# KiCad board AmigaPCI Mainboard.kicad_pcb (continued)
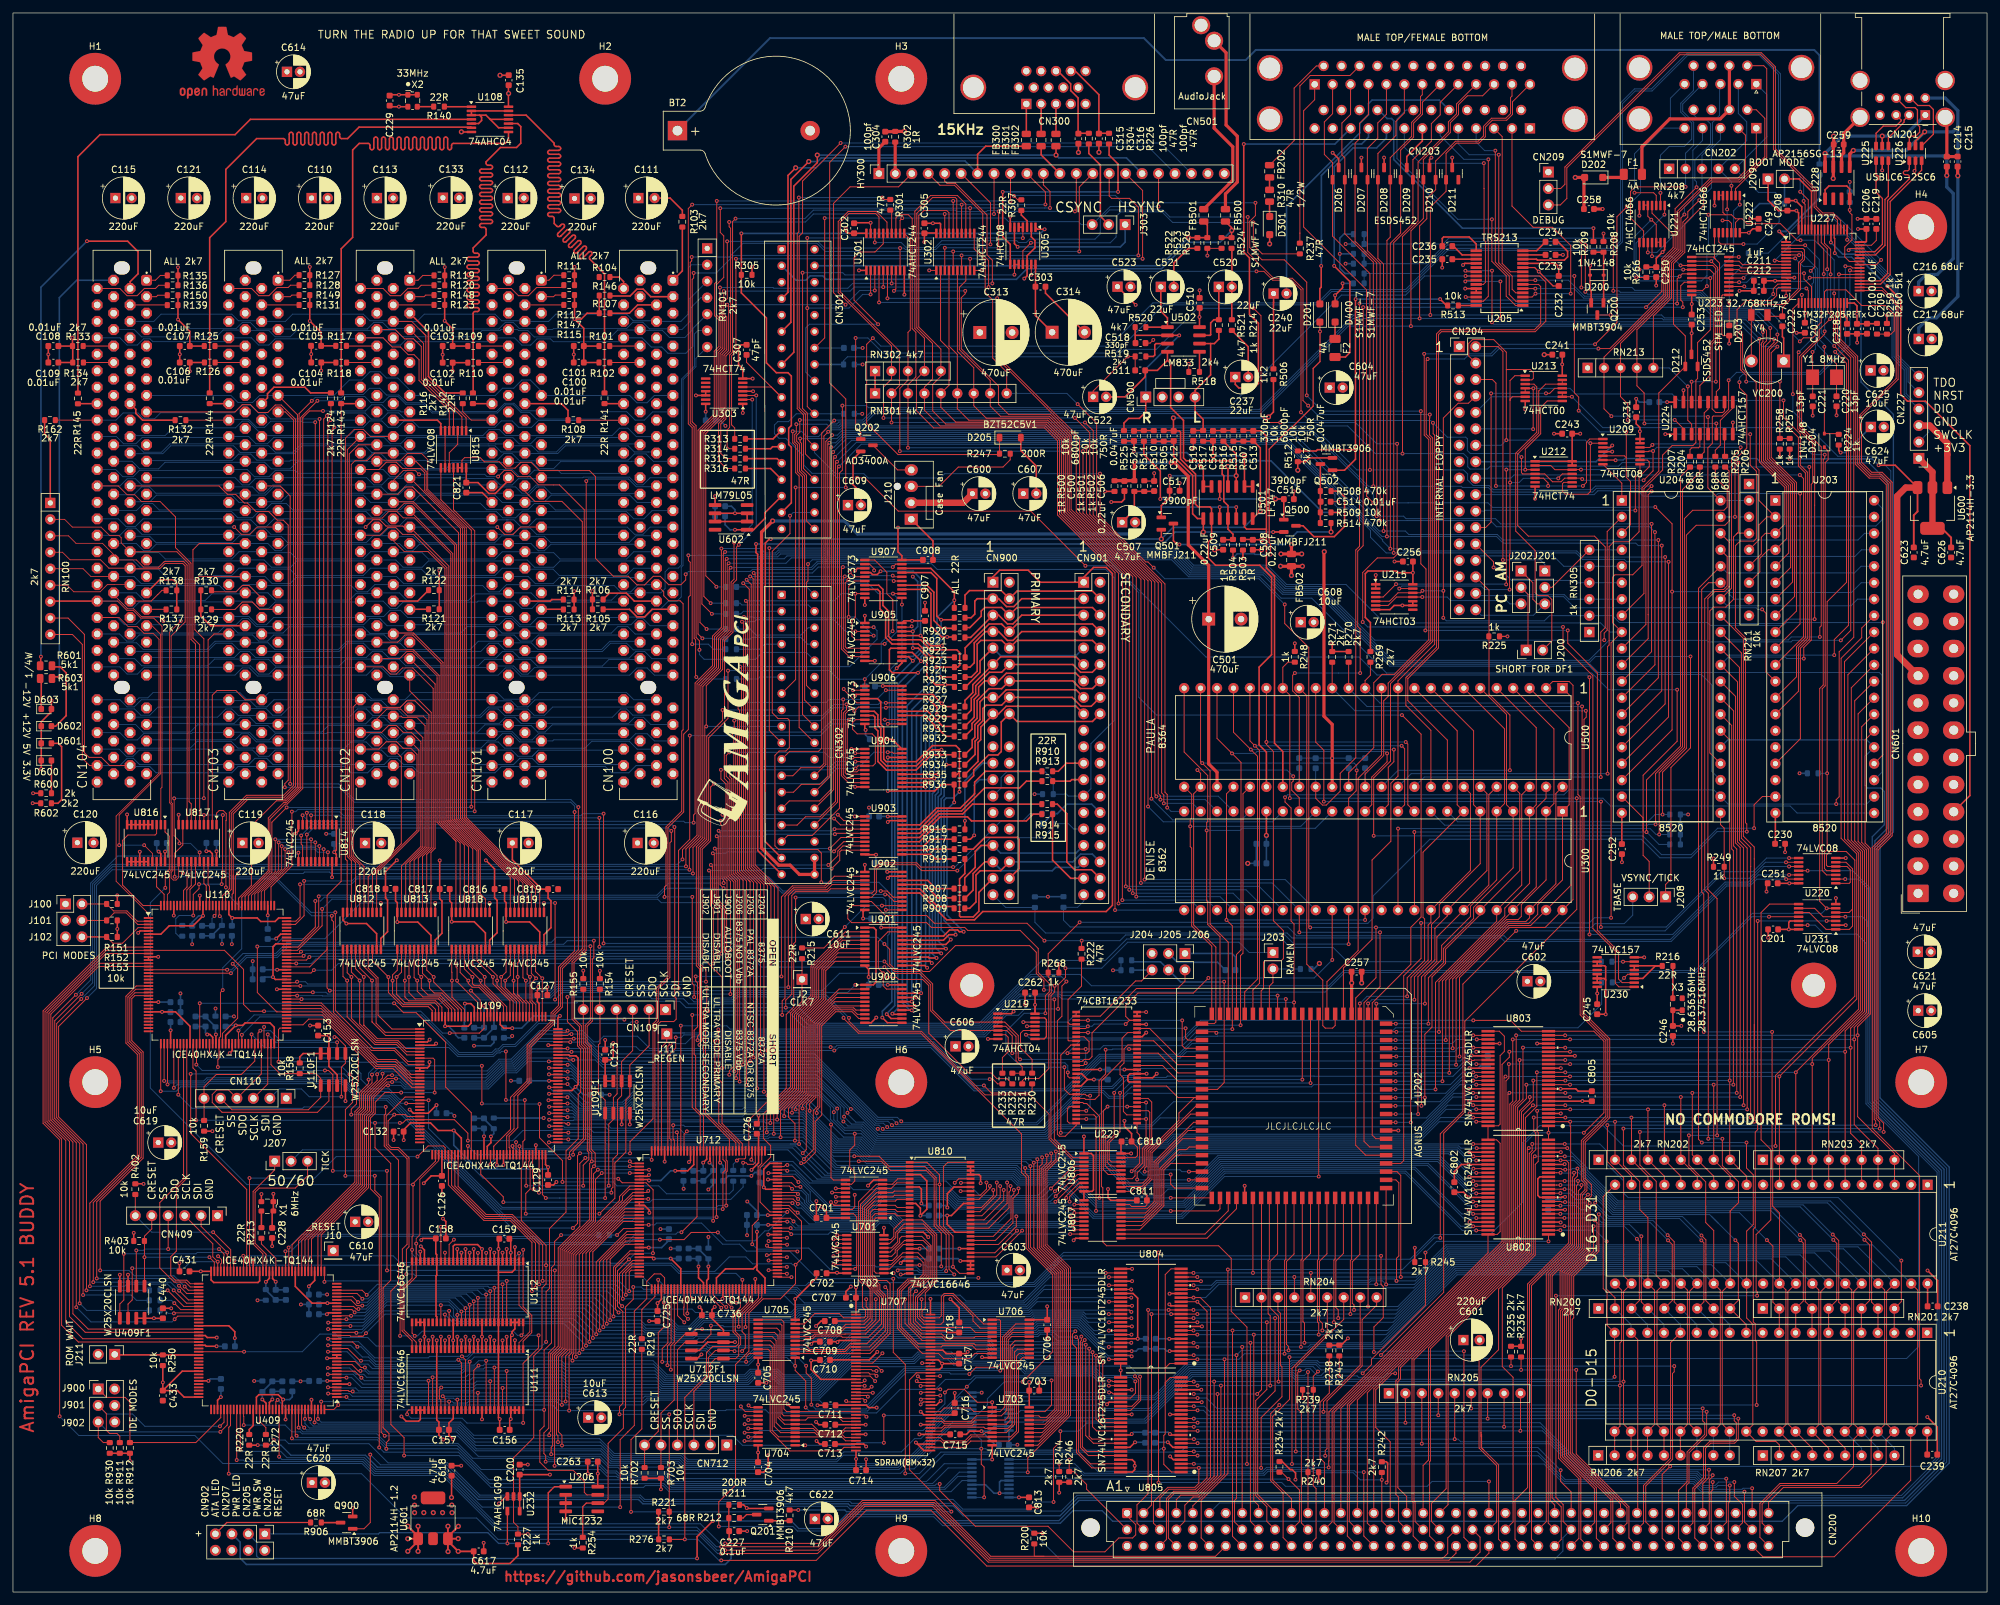
[diagram p0: board, top side]
## Routing (per net, layer and track width the routed paths; a pad name or vN(x,y) marks a point on that pad's centre or on a via; arc(x,y) is an arc through that point) (continued)
  Bottom w0.15: R265.2 v1(283.6,213.42)
/HID and User Ports/VMON3V3: length 77.9
  Top w0.15: U227.16 273.77,200.19 v1(273.77,200.18) ; v1(247.09,209.07) v1(247.09,200.92)
  Bottom w0.15: v1(273.77,200.18) 271.84,198.25 263.02,198.25 260.57,200.7 248.19,200.7 247.96,200.92 v1(247.09,200.92) ; v1(247.09,209.07) 247.08,209.06 221.69,209.06 220.78,208.16 R255.2
  Bottom w0.25: R255.2 R256.1
/HID and User Ports/VMON5: length 78.3
  Top w0.15: v1(242.16,208.54) v1(242.16,201.45) ; v1(271.79,200.43) 271.79,201.26 272.5,201.97 U227.14
  Bottom w0.15: v1(271.79,200.43) 269.91,198.55 263.15,198.55 260.7,201 250.42,201 249.97,201.45 v1(242.16,201.45) ; v1(242.16,208.54) 221.59,208.54 218.17,205.12 R263.2
  Bottom w0.25: R263.2 R264.1
/HID and User Ports/VMON5SB: length 36.8
  Top w0.15: v1(272.81,186.91) R258.1 R257.2 ; U227.15 272.6,201.47 272.31,201.19 272.31,200.2 271.56,199.44 267.62,199.44 266.2,198.03 266.2,193.96 266.76,193.4 266.76,188.73 267.62,187.87 v1(267.62,186.91)
  Bottom w0.15: v1(267.62,186.91) v1(272.81,186.91)
/HID and User Ports/VMON12: length 89.2
  Top w0.15: v1(275.9,193.12) 276.45,193.67 277.89,193.67 278.27,194.06 278.27,195.15 279.2,196.07 U227.24 ; v1(242.77,208.01) v1(242.77,200.78)
  Bottom w0.15: v1(275.9,193.12) 271.07,197.95 262.9,197.95 260.45,200.4 243.15,200.4 v1(242.77,200.78) ; R261.2 R262.1 217.07,203.6 221.49,208.01 v1(242.77,208.01)
/HID and User Ports/VMON-12: length 19.6
  Top w0.15: R260.1 289.97,194.24 290.47,194.74 290.47,197.3 289.11,198.66 285.45,198.66 283.03,201.08 280,201.08 279.7,200.78 U227.25 ; R259.2 289.33,194.25
/IDE Interface/_ACTA: length 132.7
  Top w0.15: v1(273.78,110.08) 273.79,110.09 U220.13
  Bottom w0.15: v1(273.78,110.08) 269.24,110.08 268.19,109.03 264.6,109.03 256.05,100.48 230.29,100.48 229.77,101 197.49,101 196.72,101.77 159.44,101.77 157.79,103.42 157.79,105.7 153.27,105.7 CN900.39
/IDE Interface/_ACTB: length 125.4
  Top w0.15: U220.12 v1(274.23,110.74)
  Bottom w0.15: CN901.39 165.31,106.66 164.38,105.73 R904.1 162.2,103.75 163.25,102.7 196.85,102.7 198.21,101.34 228.78,101.34 230.24,101.34 230.8,100.78 255.92,100.78 264.48,109.33 268.07,109.33 269.48,110.74 v1(274.23,110.74)
/IDE Interface/_ACTIVITY: length 367.4
  Top w0.15: Q900.1 54.2,9.77 55.17,10.74 v1(55.17,21.23) ; U220.11 v1(277.09,111.39)
  Bottom w0.15: v1(277.09,111.39) 284.05,111.39 286.7,108.73 286.7,75.64 297.39,64.96 297.39,20.72 291.59,14.93 164.28,14.93 161.86,12.5 146.52,12.5 145.33,13.69 129.52,13.69 129.21,14 97.41,14 96.74,14.66 71.97,14.66 66.98,19.65 56.75,19.65 v1(55.17,21.23)
/IDE Interface/_CS0P: length 18.5
  Top w0.25: 146.98,113.19 146.98,110.94 146.15,110.12 146.15,104.42 146.32,104.25 148.27,104.25 149.14,105.12 149.14,108.04 CN900.37
/IDE Interface/_CS0S: length 13.1
  Top w0.25: CN901.37 163.32,110.21 160.51,113.02 R915.2
/IDE Interface/_CS1P: length 15.9
  Top w0.25: R918.2 148.27,114.72 150.08,116.53 155.05,116.53 155.35,116.23 155.35,111.71 CN900.38
/IDE Interface/_CS1S: length 16.5
  Top w0.25: CN901.38 166.53,111.53 163.93,111.53 162.72,112.74 162.72,120.19 161.24,121.67 R914.2
/IDE Interface/_DIORP: length 12.7
  Top w0.25: v1(148.42,116.85) 147.82,116.25 146.98,116.25
  Bottom w0.25: v1(148.42,116.85) 148.42,124.61 149.26,125.45 CN900.25
/IDE Interface/_DIORS: length 4.9
  Top w0.25: R913.2 163.24,125.22 163.47,125.45 CN901.25
/IDE Interface/_DIOWP: length 12.9
  Top w0.25: 146.98,117.77 146.98,119.07 v1(146.98,119.08)
  Bottom w0.25: CN900.23 149.72,127.99 146.98,125.25 v1(146.98,119.08)
/IDE Interface/_DIOWS: length 5.3
  Top w0.25: R910.2 161.4,126.74 162.65,127.99 CN901.23
/IDE Interface/_RSTIDE: length 108.6
  Top w0.25: U902.15 140.03,107.94 144.17,103.8 148.46,103.8 149.74,105.08 168.79,105.08 169.76,106.05 169.76,157.27 168.82,158.21 166.84,158.21 165.31,156.68 CN901.1 158.61,155.93 156.75,157.79 152.34,157.79 151.31,156.76 CN900.1
/IDE Interface/DA0A: length 9
  Top w0.25: 145.4,107.18 142.84,107.18 140.78,109.24 U902.17
/IDE Interface/DA0B: length 23.3
  Top w0.25: R908.2 148.24,108.38 148.24,110.94 150.05,112.75 CN900.35
  Bottom w0.25: CN900.35 152.68,111.38 160.48,111.38 160.99,111.9 164.46,111.9 CN901.35
/IDE Interface/DA1A: length 8.6
  Top w0.25: U902.18 141.23,109.89 142.5,108.62 R907.1
/IDE Interface/DA1B: length 24.5
  Top w0.25: R907.2 146.96,110.29 148.57,111.9 148.57,114.38 149.48,115.29 CN900.33
  Bottom w0.25: CN901.33 164.13,114.11 152.49,114.11 CN900.33
/IDE Interface/DA2A: length 9.3
  Top w0.25: 145.39,105.86 142.75,105.86 140.02,108.59 U902.16
/IDE Interface/DA2B: length 27.3
  Top w0.25: CN900.36 152.49,111.38 149.35,111.38 148.69,110.73 148.69,106.56 147.71,105.58 R909.2
  Bottom w0.25: CN900.36 163.65,112.75 164.85,113.95 166.65,113.95 CN901.36
/IDE Interface/DD0A: length 26
  Top w0.25: CN900.17 152.19,135.61 153.36,136.78 164.13,136.78 CN901.17 ; R935.2 149,128.26 149,131.2 149.43,131.62 149.43,133.57 151.31,135.45
/IDE Interface/DD1A: length 26.4
  Top w0.25: R933.2 148.1,130.43 148.1,131.57 148.52,132 148.52,133.94 149.31,134.73 149.31,137.46 150,138.15 CN900.15 152.19,138.15 153.36,139.32 164.13,139.32 CN901.15
/IDE Interface/DD2A: length 24.5
  Top w0.25: CN901.13 164.12,141.88 153.38,141.88 152.19,140.69 CN900.13 150.04,140.69 149.1,139.75 149.1,138.53 148.41,137.84 148.41,135.1 R931.2
/IDE Interface/DD3A: length 23.3
  Top w0.25: CN901.11 164.13,144.41 152.49,144.41 CN900.11 148.2,140.12 148.2,138.9 146.99,137.69 R928.2
/IDE Interface/DD4A: length 22.7
  Top w0.25: CN900.9 149.32,143.78 149.32,142 147.08,139.76
  Bottom w0.25: CN901.9 164.13,144.59 152.49,144.59 CN900.9
/IDE Interface/DD5A: length 23.5
  Top w0.25: R925.2 147.76,142.82 148.42,143.48 148.42,146.56 150.17,148.31 CN900.7 152.19,148.31 153.55,146.94 154.39,146.94 155.75,148.31 CN901.7
/IDE Interface/DD6A: length 20.9
  Top w0.25: R923.2 147.87,147.41 CN900.5 152.19,150.85 153.55,149.49 154.39,149.49 155.75,150.85 CN901.5
/IDE Interface/DD7A: length 21.7
  Top w0.25: CN901.3 155.75,153.39 154.54,152.17 153.41,152.17 152.19,153.39 CN900.3 148.88,153.39 148.51,153.02 148.51,151.02 147.94,150.45 R921.2
/IDE Interface/DD8A: length 24.6
  Top w0.25: R920.2 147,153.94 147.69,154.64 152.6,154.64 CN900.4 155.02,154.56 166.68,154.56 CN901.4
/IDE Interface/DD9A: length 24.1
  Top w0.25: 153.83,150.83 152.63,152.03 150.05,152.03 149.5,151.48 149.5,150.69 147.74,148.93 R922.2 ; CN901.6 166.68,152.02 155.02,152.02 CN900.6
/IDE Interface/DD10A: length 25.3
  Top w0.25: CN900.8 155.02,149.48 166.68,149.48 CN901.8 ; R924.2 147.01,145.79 150.7,149.48 152.63,149.48 153.83,148.29
/IDE Interface/DD11A: length 27.1
  Top w0.25: CN901.10 166.68,146.94 155.02,146.94 CN900.10 152.68,146.94 149.44,146.94 148.87,146.38 148.87,142.19 147.97,141.29 R926.2
/IDE Interface/DD12A: length 27
  Top w0.25: R929.2 147.96,136.18 147.96,138.02 148.65,138.71 148.65,139.93 150.75,142.03 152.65,142.03 153.83,143.21 ; CN900.12 163.65,143.23 164.85,142.03 166.65,142.03 CN901.12
/IDE Interface/DD13A: length 27.5
  Top w0.25: CN900.14 163.65,140.69 164.82,139.51 166.68,139.51 CN901.14 ; 153.83,140.67 152.65,139.49 150.7,139.49 148.86,137.65 148.86,134.91 148.07,134.13 148.07,133.23 R932.2
/IDE Interface/DD14A: length 30
  Top w0.25: CN901.16 166.49,136.78 164.9,136.78 163.54,138.15 CN900.16 ; 147.25,127.75 R934.2 148.55,129.34 148.55,131.39 148.98,131.81 148.98,133.76 149.76,134.54 149.76,136.44 150.27,136.95 152.65,136.95 153.83,138.13
/IDE Interface/DD15A: length 29.6
  Top w0.25: R936.2 148.34,126.06 148.34,126.96 150.64,129.26 152.07,129.26 152.59,129.78 152.59,134.35 CN900.18 155.02,134.44 166.68,134.44 CN901.18
/IDE Interface/IDED0: length 86.4
  Top w0.25: v1(136.45,142.66) 137.25,143.45 U905.11 ; R920.1 v1(145.35,153.16) 145.35,154.44 141.72,158.07 U907.18 ; U900.11 135.03,87.91 v1(134.23,88.71)
  Bottom w0.25: v1(145.35,153.16) 142.69,150.5 142.69,148.17 138.99,144.48 138.28,144.48 v1(136.45,142.66) 135.7,141.9 135.7,91.16 134.23,89.69 v1(134.23,88.71)
/IDE Interface/IDED1: length 82.7
  Top w0.25: v1(140.2,143.74) 138.86,145.09 U905.13 ; U907.14 141.11,155.47 142.19,154.39 142.19,150.03 143.4,148.82 v1(143.94,148.82) 145.28,148.82 ; U900.13 135.89,89.21 v1(135.79,89.31)
  Bottom w0.25: 136.6,92.84 136.6,90.12 v1(135.79,89.31) ; 136.6,92.84 136.6,92.54 136.6,93.75 ; 136.6,92.84 136.6,93.75 ; 136.6,93.75 136.6,140.14 v1(140.2,143.74) 140.2,144.42 143.94,148.15 v1(143.94,148.82)
/IDE Interface/IDED2: length 80.1
  Top w0.25: U907.8 133.51,154.82 133.87,154.46 133.87,151.8 134.74,150.93 134.74,147.39 135.74,146.39 U905.15 139.78,146.39 141.83,144.34 v1(141.94,144.34) R924.1 ; U900.15 v1(139.21,90.51)
  Bottom w0.25: v1(141.94,144.34) 141.94,140.76 138.05,136.87 138.05,90.93 138.47,90.51 v1(139.21,90.51)
/IDE Interface/IDED3: length 85.4
  Top w0.25: U907.4 132.41,157.42 132.71,157.12 133.45,157.12 v1(133.96,157.63) ; v1(143.42,146.11) 141.71,146.11 v1(140.13,147.69) U905.17 ; R926.1 v1(143.19,141.29) ; U900.17 v1(139.5,91.81)
  Bottom w0.25: v1(143.42,146.11) 143.42,144.05 143.19,143.82 v1(143.19,141.29) 143.19,139.36 139.5,135.67 139.5,93.29 v1(139.5,91.81) ; v1(133.96,157.63) 138.99,157.63 140.13,156.49 v1(140.13,147.69)
/IDE Interface/IDED4: length 57.9
  Top w0.25: U901.12 141.59,97.4 v1(141.87,97.12) ; v1(141.54,124.98) 141.53,124.98 U904.12 ; R929.1 142.98,135.2 v1(142.67,135.51) 142.67,136.63 141.34,137.96 U906.17
  Bottom w0.25: v1(142.67,135.51) 141.51,134.36 141.51,97.47 v1(141.87,97.12)
/IDE Interface/IDED5: length 56.9
  Top w0.25: U904.14 142.87,126.28 v1(142.87,126.28) ; U901.14 143.25,98.7 v1(143.33,98.62) ; U906.13 140.81,135.36 v1(142.6,133.57) 144.03,132.14 R932.1
  Bottom w0.25: v1(143.33,98.62) 142.42,99.53 142.42,123.05 142.87,123.5 v1(142.87,126.28) 142.87,128.04 142.42,128.5 142.42,132.63 142.6,132.82 v1(142.6,133.57)
/IDE Interface/IDED6: length 59.8
  Top w0.25: R934.1 144.13,127.75 v1(144.12,127.76) ; v1(144.8,100.76) 144.04,100 U901.16 ; v1(143.35,130.07) 143.33,130.06 141.95,130.06 139.47,127.58 U904.16 134.86,127.58 134,128.43 134,133.35 133.54,133.81 133.54,135.45 132.98,136.01 U906.7
  Bottom w0.25: v1(144.8,100.76) 143.31,102.24 143.31,122.47 143.77,122.92 143.77,125.39 143.94,125.56 143.94,127.58 v1(144.12,127.76) 144.12,129.3 v1(143.35,130.07)
/IDE Interface/IDED7: length 66.8
  Top w0.25: v1(146.79,101.97) 146.12,101.97 145.86,102.23 144.61,102.23 143.68,101.3 U901.18 ; v1(145.33,121.94) 145.31,121.95 R936.1 143.32,124.69 142.33,123.7 v1(135.08,123.7) ; v1(130.01,138.41) 130.2,138.61 U906.3 ; v1(135.08,128.88) 137.25,128.88
  In2.Cu w0.25: v1(130.01,138.41) 130.96,137.46 130.96,130.89 132.98,128.88 v1(135.08,128.88)
  Bottom w0.25: v1(135.08,123.7) v1(135.08,128.88) ; v1(145.33,121.94) 144.21,120.82 144.21,104.54 v1(146.79,101.97)
/IDE Interface/IDED8: length 65.4
  Top w0.25: 146.14,126.63 v1(146.14,123.57) ; 146.14,126.63 145.73,126.22 R935.1 ; 146.14,126.63 146.14,130.14 145.58,130.7 141.96,130.7 139.49,128.23 U904.17 134.84,128.23 134.45,128.62 134.45,133.54 133.99,134 133.99,137.46 133.49,137.96 U906.4 ; v1(145.54,101.51) 144.52,101.51 143.66,100.65 U901.17
  Bottom w0.25: v1(145.54,101.51) 145.54,101.93 143.76,103.71 143.76,122.28 144.1,122.61 145.18,122.61 v1(146.14,123.57)
/IDE Interface/IDED9: length 59.7
  Top w0.25: v1(144.05,99.34) 144.04,99.35 U901.15 ; R933.1 v1(143.04,129.29) 141.82,129.29 139.46,126.93 U904.15 134.87,126.93 133.55,128.25 133.55,132.96 133.09,133.42 133.09,135.12 132.85,135.36 U906.8
  Bottom w0.25: v1(143.04,129.29) 143.5,128.83 143.5,125.78 143.32,125.61 143.32,123.25 142.87,122.8 142.87,100.52 v1(144.05,99.34)
/IDE Interface/IDED10: length 56.9
  Top w0.25: U906.14 141.24,136.01 v1(142.64,134.61) 143.58,133.67 R931.1 ; U904.13 142.24,125.63 v1(142.25,125.63) ; U901.13 141.34,98.05 141.48,97.91 v1(142.6,97.91)
  Bottom w0.25: v1(142.6,97.91) 141.96,98.55 141.96,123.29 142.25,123.57 v1(142.25,125.63) 142.25,127.95 141.96,128.23 141.96,133.93 v1(142.64,134.61)
/IDE Interface/IDED11: length 58.5
  Top w0.25: v1(140.89,124.34) 140.88,124.33 U904.11 ; v1(141.15,96.4) 140.8,96.75 U901.11 ; R928.1 143.89,136.73 v1(143.4,137.21) 142.01,138.61 U906.18
  Bottom w0.25: v1(143.4,137.21) 140.91,134.72 140.91,96.64 v1(141.15,96.4)
/IDE Interface/IDED12: length 87.9
  Top w0.25: 145.27,140.1 v1(143.97,140.1) 142.44,140.1 141.1,141.44 141.1,144.43 139.77,145.76 v1(138.95,145.76) ; v1(138.94,148.34) 138.94,148.34 U905.18 ; U907.3 130.38,158.07 v1(130.01,157.7) ; U900.18 140.2,92.46 v1(140.22,92.48)
  In2.Cu w0.25: v1(138.94,156.8) 136.84,158.9 131.21,158.9 v1(130.01,157.7)
  Bottom w0.25: v1(138.95,145.76) 138.95,148.33 v1(138.94,148.34) 139.68,149.08 139.68,156.05 v1(138.94,156.8) ; v1(140.22,92.48) 140.23,92.48 140.23,135.05 143.97,138.8 v1(143.97,140.1)
/IDE Interface/IDED13: length 83.1
  Top w0.25: v1(142.56,142.81) 142.57,142.82 R925.1 145.89,142.82 146.18,143.11 146.18,145.05 145.74,145.49 141.7,145.49 140.15,147.04 U905.16 135.72,147.04 135.19,147.57 135.19,151.47 134.32,152.34 134.32,154.82 133.67,155.47 U907.7 ; v1(138.78,91.19) 138.75,91.16 U900.16
  Bottom w0.25: v1(142.56,142.81) 142.56,140.05 138.78,136.27 v1(138.78,91.19)
/IDE Interface/IDED14: length 86.7
  Top w0.25: v1(138.77,89.84) 138.75,89.86 U900.14 ; U907.13 141.12,154.82 141.74,154.2 141.74,149.14 143.4,147.48 v1(144.23,147.48) 145.27,147.48 ; v1(139.74,141.95) 135.78,141.95 135.32,142.41 135.32,145.52 135.54,145.74 U905.14
  Bottom w0.25: v1(138.77,89.84) 138.49,89.84 137.33,91 137.33,139.54 v1(139.74,141.95) 140.98,143.19 140.98,144.55 143.9,147.48 v1(144.23,147.48)
/IDE Interface/IDED15: length 83.4
  Top w0.25: U900.12 135.58,88.56 v1(134.91,89.23) ; v1(138.94,143.79) 138.29,144.44 U905.12 ; U907.17 141.73,157.42 142.64,156.51 142.64,150.72 143.22,150.14 145.29,150.14
  Bottom w0.25: v1(134.91,89.23) 134.91,89.31 136.15,90.56 136.15,141 v1(138.94,143.79) 143.31,148.16 v1(143.31,150.14)
/IDE Interface/INTRQP: length 35
  Top w0.15: U902.6 132.65,107.94 133.01,108.3 133.01,111.73 133.88,112.61 139.52,112.61 140.18,111.95 v1(145.16,111.95)
  Bottom w0.15: v1(145.16,111.95) 145.43,111.95 CN900.31 152.57,119.09 155.94,119.09 157.05,120.2 R901.1
/IDE Interface/INTRQS: length 42
  Top w0.15: v1(145.81,111.4) 140.31,111.4 139.4,112.31 134.01,112.31 133.31,111.61 133.31,108.01 132.59,107.29 U902.7
  Bottom w0.15: CN901.31 163.78,117.83 162.96,118.65 R902.1 160.56,118.07 158.97,116.49 150.9,116.49 v1(145.81,111.4)
/IDE Interface/IRDY: length 177.8
  Top w0.15: v1(103.87,157.16) 103.87,156.29 103.13,155.55 101.24,155.55 99.94,156.85 98.86,156.85 97.53,155.52 96.34,155.52 95,156.86 92.69,156.86 89.95,159.61 89.95,172.24 89.02,173.17 81.29,173.17 80,174.46 78.43,174.46 77.52,173.55 76.06,173.55 75.08,174.53 72.78,174.53 72.14,175.17 69.73,175.17 69.32,174.76 U815.13
  Top w0.25: U815.12 U815.13
  Bottom w0.15: R900.2 160.62,125.41 159.38,126.65 153.43,126.65 152.57,125.79 152.57,124.17 CN900.27 ; v1(103.87,157.16) 104.29,157.58 113.84,157.58 114.17,157.91 123.39,157.91 124.28,158.8 141.82,158.8 142.71,157.91 168.73,157.91 170.03,156.61 170.03,134.59 166.44,131 166.44,124.03 CN901.27 162.95,122.91 162.66,123.2 160.62,123.2
/Master Control/AUTOBOOT: length 28.9
  Top w0.15: U409.112 32.09,26.94 28.23,23.08 R912.1 18.06,29.32 17.32,30.06 14.46,30.06 J901.1
/Master Control/U409_CRESET: length 23.5
  Top w0.15: v1(30.91,55.57) 33.62,52.86 33.62,51.38 33.59,51.35 U409.66 ; R402.2 CN409.6
  Bottom w0.15: v1(30.91,55.57) 21.44,55.57 CN409.6
/Master Control/U409_SCK: length 32.3
  Top w0.15: v1(18.41,50) 18.41,45.11 17.77,44.46 U409F1.6 ; 31.62,49.55 v1(31.62,51.01) 30.85,51.77 30.85,53.77 CN409.3
  Bottom w0.15: v1(18.41,50) 18.43,49.99 26.4,49.99 27.42,51.01 v1(31.62,51.01)
/Master Control/U409_SDI: length 36.5
  Top w0.15: CN409.2 29.05,56.47 v1(33.09,52.43) U409.67 ; v1(17.12,52.24) 17.12,45.1 16.5,44.49 U409F1.5
  Bottom w0.15: v1(33.09,52.43) 33.09,52.44 28.46,52.44 28.26,52.24 v1(17.12,52.24)
/Master Control/U409_SDO: length 27.3
  Top w0.15: U409.68 32.59,52.19 v1(31.82,52.96) ; CN409.4 v1(23.97,52.96) ; 19.04,52.75 U409F1.2
  Bottom w0.15: v1(19.04,52.76) 20.13,52.76 20.33,52.96 v1(23.97,52.96) v1(31.82,52.96)
/Master Control/U409_SS: length 23.9
  Top w0.15: v1(20.31,51.71) 20.31,54.95 21.43,56.08 CN409.5 ; U409.71 31.09,50.94 v1(30.33,51.7) ; 20.31,51.7 U409F1.1
  Bottom w0.15: v1(20.31,51.71) 20.31,51.7 v1(30.33,51.7)
/Master Control/ULTRA_P: length 30.8
  Top w0.15: v1(31.95,25.6) 32.59,26.23 U409.113 ; R911.1 16.5,24.05 16.06,24.49 14.91,24.49 14.42,24.98 14.42,27.56 J901.3
  Bottom w0.15: J901.3 14.49,27.49 18.47,27.49 20.36,25.6 v1(31.95,25.6)
/Master Control/ULTRA_S: length 27.9
  Top w0.15: v1(32.02,24.73) 33.09,25.8 U409.114 ; R930.1 13.95,23.08 13.17,23.86 J901.5
  Bottom w0.15: v1(32.02,24.73) 14.71,24.73 J901.5
/PCI Bridge/J100: length 11.4
  Top w0.15: JPCI1.2 R151.2 15.53,105.18 17.6,105.18 19.19,103.59 U110.2
/PCI Bridge/J101: length 11.5
  Top w0.15: JPCI1.4 R152.2 15.63,104.88 17.48,104.88 19.27,103.09 U110.3
/PCI Bridge/J102: length 15.7
  Top w0.15: R153.2 13.21,101.16 13.2,101.17 ; R153.2 15.43,100.19 16.92,100.19 19.32,102.59 U110.4 ; R153.2 10.66,101.16 ; 13.2,101.17 13.44,101.17 ; 13.2,101.17 JPCI1.6
/PCI Bridge/U109_CRESET: length 44.7
  Top w0.15: U109.66 79.23,62.75 v1(79.24,62.74) ; R155.2 CN109.6 88.06,84.71 88.69,84.08 88.69,68.12 88.91,67.9 88.91,66.77 88.05,65.91 v1(88.05,62.74)
  Bottom w0.15: v1(79.24,62.74) 79.25,62.74 v1(88.05,62.74)
/PCI Bridge/U109_SCK: length 46.7
  Top w0.15: CN109.3 95.68,83.61 93.97,81.91 U109F1.6 93.97,76.64 93.35,76.02 93.35,67.56 92.63,66.84 92.63,62.51 92.39,62.26 v1(92.39,61.67) ; U109.70 81.23,61.68 v1(81.22,61.67)
  Bottom w0.15: v1(81.22,61.67) v1(92.39,61.67)
/PCI Bridge/U109_SDI: length 55.6
  Top w0.15: CN109.2 98.22,84.36 95.25,81.38 U109F1.5 95.25,76.6 94.63,75.99 94.63,67.95 92.94,66.25 92.94,60.81 v1(90.55,58.43) ; U109.67 79.73,66.59 79.64,66.5 79.64,65.65 79.85,65.44 79.85,62.22 79.18,61.55 v1(79.18,58.42)
  Bottom w0.15: v1(79.18,58.42) 87.12,58.42 87.13,58.43 v1(90.55,58.43)
/PCI Bridge/U109_SDO: length 44.8
  Top w0.15: v1(91.99,62.76) 91.99,72.27 92.71,72.98 U109F1.2 92.71,76.36 93.28,76.94 93.28,89.8 ; U109.68 80.23,63.92 80.37,63.78 v1(80.37,62.2)
  Bottom w0.15: v1(80.37,62.2) 91.43,62.2 v1(91.99,62.76)
/PCI Bridge/U109_SS: length 48.8
  Top w0.15: v1(82.27,60.84) 81.75,61.37 81.75,67.51 ; CN109.5 90.6,93.06 ; v1(91.44,60.84) U109F1.1 91.44,75.95 90.4,76.99 90.4,84.5 90.63,84.74 90.63,89.91
  Bottom w0.15: v1(91.44,60.84) 84.43,60.84 84.42,60.84 84.42,60.84 v1(82.27,60.84)
/PCI Bridge/U409_CRESET: length 17.4
  Top w0.15: U110.66 37.34,82 35.26,79.92 31.39,79.92 29.5,78.03 CN110.6 ; R159.2 29.51,76.23
/PCI Bridge/U409_SCK: length 23.7
  Top w0.15: 50.06,83.16 50.06,84.88 v1(50.05,84.89) ; v1(39.34,86.11) U110.70 39.34,78.46 CN110.3
  Bottom w0.15: v1(50.05,84.89) 40.56,84.89 v1(39.34,86.11)
/PCI Bridge/U409_SDI: length 36.9
  Top w0.15: v1(50.71,76.49) 50.71,81.04 51.32,81.66 51.32,84.36 49.98,85.7 v1(49.65,85.7) ; v1(38.19,86.68) 37.84,86.33 U110.67
  Bottom w0.15: v1(38.19,86.68) 39.77,86.68 41.26,85.19 49.14,85.19 v1(49.65,85.7) ; v1(50.71,76.49) 45.74,76.49 44.54,77.69 41.1,77.69 CN110.2
/PCI Bridge/U409_SDO: length 37.6
  Top w0.15: U110.68 38.34,80 CN110.4 33.29,77.53 31.47,77.53 30.77,76.83 30.77,75.6 32.29,74.08 47.01,74.08 48.78,75.85 U110F1.2
/PCI Bridge/U409_SS: length 31.7
  Top w0.15: CN110.5 33.81,74.47 45.6,74.47 47.51,76.38 U110F1.1 47.51,79.32 46.79,80.05 R158.2 41.22,80.05 39.84,81.43 U110.71
/PCI Bus/_ACK64: length 109.3
  Top w0.15: CN104.B60 11.84,127.62 10.71,128.75 10.71,146.33 9.18,147.86 RN100.9
  Bottom w0.15: 74.11,127.78 77.29,127.78 78.25,128.74 80.16,128.74 81.12,127.78 94.1,127.78 ; 53.8,127.78 57.3,127.78 58.26,128.74 59.34,128.74 60.3,127.78 73.79,127.78 ; CN104.B60 16.51,127.62 17.62,128.74 18.58,128.74 19.54,127.78 33.17,127.78 ; 53.48,127.78 40.14,127.78 39.18,128.74 37.37,128.74 36.41,127.78 33.47,127.78
/PCI Bus/_INTA: length 124.4
  Top w0.13: 61.04,196.21 61.56,196.21 63.37,194.4
  Top w0.15: U815.1 69.97,181.3 63.75,187.52 63.75,194.02 62.84,194.93 ; 63.65,194.12 63.37,194.4 ; 61.04,196.21 CN102.A6
  Bottom w0.13: 38.31,196.31 34.81,196.31 33.79,197.33 22.87,197.33 21.75,196.21 CN104.A6 ; 58.72,196.2 62.39,196.2 63.51,197.33 74.43,197.33 75.45,196.31 ; 104.27,197.69 104.27,204.45 104.77,204.95 RN101.2 ; 58.62,196.31 55.12,196.31 54.1,197.33 43.18,197.33 42.06,196.21 38.39,196.21
  Bottom w0.15: 78.95,196.31 75.45,196.31 ; 99.24,196.31 95.77,196.31 94.75,197.33 83.82,197.33 82.7,196.2 79.03,196.2 ; CN100.A6 103.13,196.21 104.27,197.35 104.27,197.69
/PCI Bus/_INTB: length 122.7
  Top w0.15: U815.4 68.02,182.26 63.05,187.23 63.05,192.33 61.86,193.52 60.46,193.52 59.03,194.94 CN102.B7
  Bottom w0.13: 96.94,194.83 100.26,194.83 101.37,193.72 103.75,193.72 104.74,194.71 104.74,198.4 106.21,199.87 RN101.4 ; 56.04,194.8 43.79,194.8 42.83,193.84 40.49,193.84 39.53,194.8 36.01,194.8 ; CN104.B7 18.73,194.94 19.86,193.82 31.39,193.82 32.45,194.88 35.8,194.88 ; 56.28,194.85 59.11,194.85 60.12,193.84 71.47,193.84 72.44,194.81 75.2,194.81 75.34,194.94 CN101.B7 77.91,194.94 78.07,194.79 79.51,194.79 80.49,193.81 92.32,193.81 92.32,193.82 93.38,194.88 96.76,194.88
/PCI Bus/_INTC: length 113.1
  Top w0.15: U815.2 69.32,181.46 63.4,187.38 63.4,192.81 CN102.A7
  Bottom w0.13: 20.79,195.11 34.47,195.11 35.41,196.05 36.64,196.05 37.66,195.03 40.86,195.03 ; 41.04,195.04 54.72,195.04 55.73,196.05 57.08,196.05 58.02,195.11 61.1,195.11 ; CN100.A7 103.28,194.94 104.51,196.17 104.51,199.73 RN101.3 ; 81.44,195.09 78.19,195.09 77.23,196.05 76.02,196.05 75.01,195.04 61.36,195.04 ; 101.79,195.06 98.27,195.06 97.26,196.07 95.7,196.07 94.74,195.11 83.46,195.11 83.32,194.97 81.61,194.97
/PCI Bus/_INTD: length 127.2
  Top w0.15: U815.5 67.37,182.42 62.7,187.09 62.7,190.3 61.93,191.07 61.02,191.07 59.83,192.26 58.56,192.26 57.15,193.67 CN102.B8
  Bottom w0.13: 73.95,193.66 77.45,193.66 78.57,192.55 79.94,192.55 79.94,192.56 80.89,193.51 83,193.51 83.44,193.07 93.67,193.07 94.27,193.66 ; CN103.B8 32.73,193.08 21.6,193.08 21.16,193.52 20.16,193.52 19.2,192.56 17.62,192.56 16.51,193.67 CN104.B8 ; 53.49,193.52 40.47,193.52 39.51,192.56 37.93,192.56 36.82,193.67 33.31,193.67 ; 53.64,193.66 57.14,193.66 58.26,192.55 59.84,192.55 60.8,193.51 61.79,193.51 62.23,193.07 73.36,193.07 73.96,193.66
  Bottom w0.15: CN100.B8 97.13,193.67 98.56,192.25 100.17,192.25 101.13,191.29 103.89,191.29 104.98,192.38 104.98,195.12 RN101.5
/PCI Bus/_REQ64: length 116
  Top w0.15: RN100.8 8.51,150.4 11.03,147.88 11.03,129.61 11.75,128.89 13.66,128.89 14.93,127.62 CN104.A60
  Bottom w0.15: 78.9,127.48 75.4,127.48 74.43,126.51 62.69,126.51 61.72,127.48 58.87,127.48 ; 38.26,127.48 34.76,127.48 33.79,126.51 22.09,126.51 21.12,127.48 18.23,127.48 ; 79.19,127.48 81,127.48 91.45,127.48 92.42,126.51 95.09,126.51 96.21,127.62 CN100.A60 ; 58.58,127.48 55.73,127.48 54.76,126.51 52.18,126.51 51.21,127.48 38.55,127.48
/PCI Bus/SMBCLK0: length 9.1
  Top w0.25: CN100.A40 95.93,153.02 94.71,154.25 92.09,154.25 R106.2
/PCI Bus/SMBCLK1: length 6
  Top w0.25: CN101.A40 82.96,153.02 83.19,153.26 R114.2
/PCI Bus/SMBCLK2: length 6.1
  Top w0.25: R122.2 62.49,153.02 CN102.A40
/PCI Bus/SMBCLK3: length 8.7
  Top w0.15: 38.4,153.48 36.46,155.42 35.41,155.42 34.44,154.45 30.9,154.45
/PCI Bus/SMBCLK4: length 6.2
  Top w0.15: R138.2 23.01,154.68 22.36,154.03 22.35,154.03 21.35,153.02 CN104.A40
/PCI Bus/SMBDAT0: length 11.7
  Top w0.25: CN100.A41 98.69,151.75 97.52,150.59 96.34,150.59 95.18,151.75 R105.2
/PCI Bus/SMBDAT1: length 3.4
  Top w0.25: CN101.A41 84.97,151.75
/PCI Bus/SMBDAT2: length 2.9
  Top w0.25: CN102.A41 64.16,151.75
/PCI Bus/SMBDAT3: length 11.2
  Top w0.15: R129.2 34.27,151.74 35.4,152.87 36.96,152.87 38.07,151.75 CN103.A41
/PCI Bus/SMBDAT4: length 3
  Top w0.15: CN104.A41 23.62,151.75
/PCI Bus/TDI0: length 7.7
  Top w0.25: 92.18,197.48 95.17,197.48 96.45,198.75 CN100.A4
/PCI Bus/TDI1: length 6
  Top w0.15: CN101.A4 85.04,198.75
/PCI Bus/TDI2: length 6.3
  Top w0.15: CN102.A4 65.01,198.75
/PCI Bus/TDI3: length 5.8
  Top w0.15: CN103.A4 44.16,198.75
/PCI Bus/TDI4: length 5.7
  Top w0.15: 23.79,198.75 CN104.A4
/PCI Bus/TMS0: length 10.6
  Top w0.25: 92.25,200.13 95.28,200.13 96.34,201.19 97.31,201.19 98.47,200.02 CN100.A3
/PCI Bus/TMS1: length 3.6
  Top w0.15: CN101.A3 83.47,200.02 83.73,200.28 R147.2
/PCI Bus/TMS2: length 3.9
  Top w0.15: CN102.A3 63.48,200.02 63.72,200.27 R148.2
/PCI Bus/TMS3: length 3.3
  Top w0.15: CN103.A3 42.82,200.02 43.06,200.27 R149.2
/PCI Bus/TMS4: length 3.3
  Top w0.15: R150.2 22.36,200.25 22.13,200.02 CN104.A3
/Power and Spares/_BTNRST: length 301.8
  Top w0.15: v1(272.13,68.88) 272.13,79.77 284.38,92.01 284.38,113.03 283.06,114.35 280.55,114.35 280,113.8 280,112.24 280.2,112.04 U220.5 283.18,112.04 283.68,111.54 283.68,109.6 283.52,109.44 U220.1 ; U206.6 91.27,13.74 91.89,14.36 91.89,22.95 94.25,25.31 94.25,28.16 94.59,28.5 94.59,44.03 95.77,45.21 v1(95.77,47.1)
  Top w0.2: U206.6 88.53,13.74 87.98,13.19 R254.1
  Bottom w0.15: v1(272.13,68.88) 272.13,68.88 248.66,68.88 245.52,72.02 235.73,72.02 233.03,69.32 233.03,60.15 228.1,55.21 219.53,55.21 215.71,51.39 162.01,51.39 157.8,47.18 139.27,47.18 138.23,46.14 121.55,46.14 120.94,46.75 97.36,46.75 97.01,47.1 v1(95.77,47.1)
